# Altium PCB Booster_Main_Board.PcbDoc (part 3 of 11) (continued)
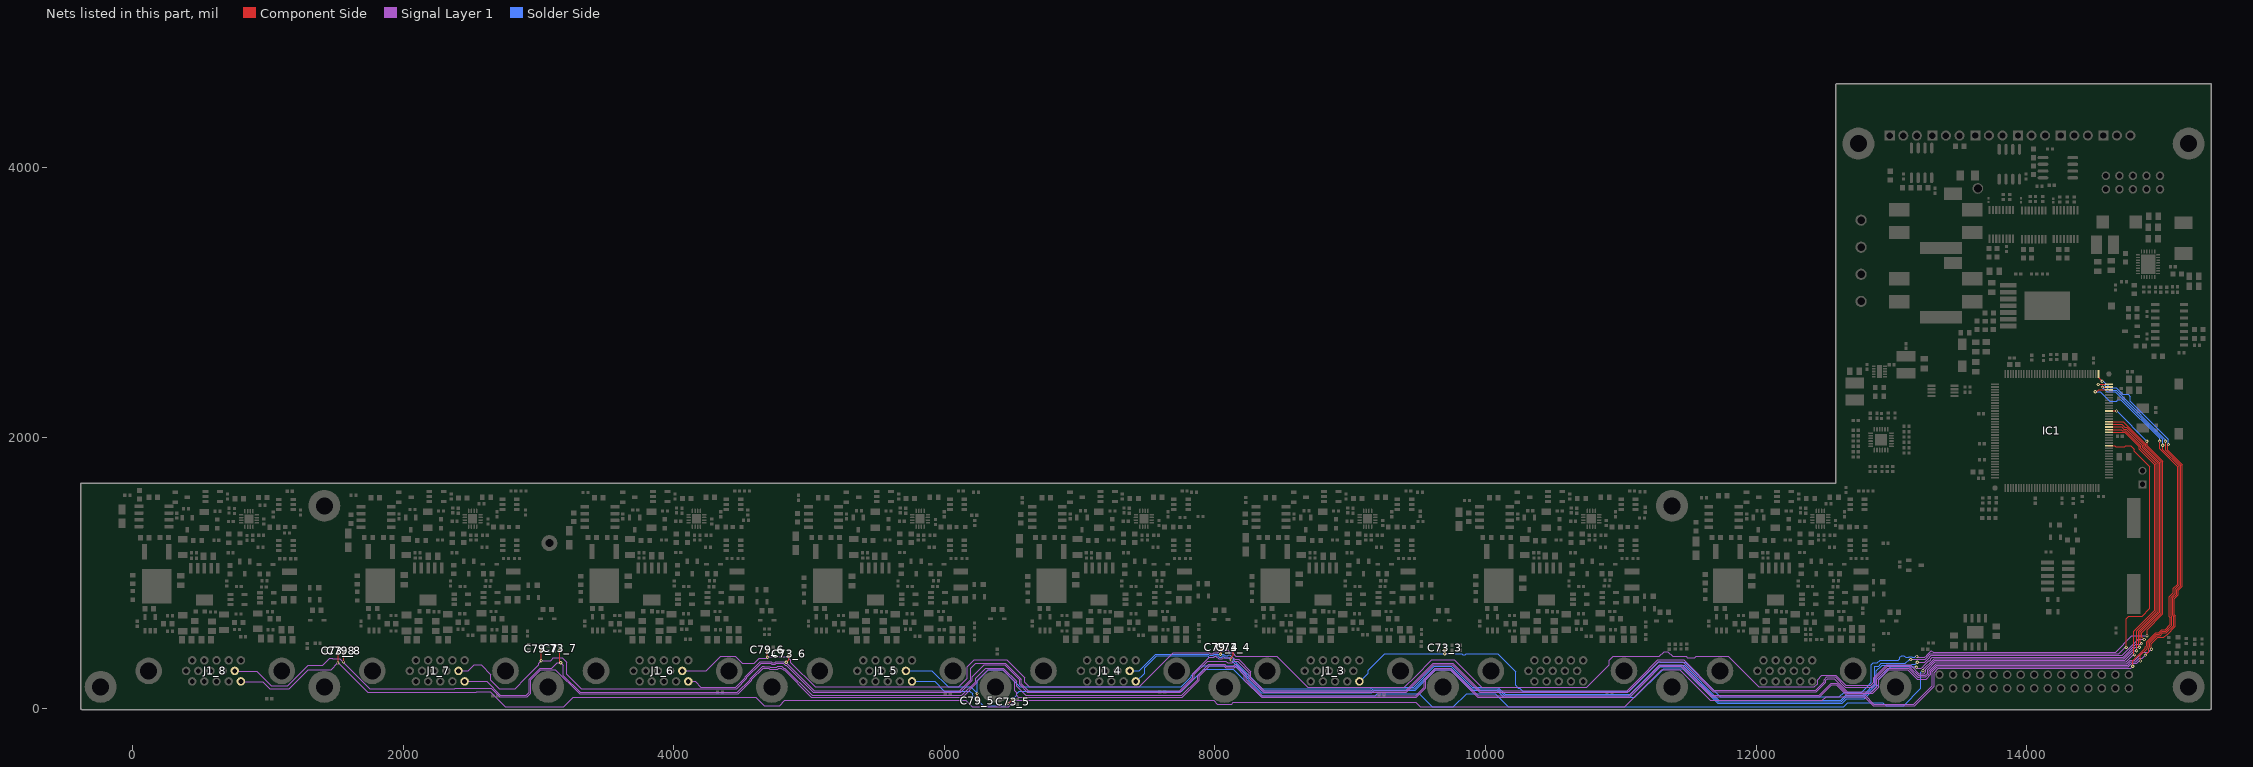
[diagram p5: the nets of this part, all layers, seen from the top]
## Part data (continued)
C48_1 C48_2 C48_3 C48_4 C48_5 C48_6 C48_7 C48_8 C67_1 C67_2 C67_3 C67_4 C67_5 C67_6 C67_7 C67_8 C73_1 C73_2 C73_3 C73_4 C73_5 C73_6 C73_7 C73_8 C79_1 C79_2 C79_3 C79_4 C79_5 C79_6 C79_7 C79_8 C80_1 C80_2 C80_3 C80_4 C80_5 C80_6 C80_7 C80_8 C81_1 C81_2 C81_3 C81_4 C81_5 C81_6 C81_7 C81_8 C82_1 C82_2 C82_3 C82_4 C82_5 C82_6 C82_7 C82_8 C83_1 C83_2 C83_3 C83_4 C83_5 C83_6 C83_7 C83_8: library part CC0402_NO-VALUE, "Non-polarised capacitor", Case=0402, Manufacturer1 ComponentHeight=0.55mm, Author="CERN DEM JLC", Component Type=Standard, CreateDate=14.01.2014, HelpURL=Undefined, LatestRevisionDate=14.01.2014, Manufacturer=Undefined, Manufacturer Part Number=CC0402_NO-VALUE, Mounted=No, Part Description="Reserved Footprint For 0402(1005) Chip Ceramic Capacitor", Part Number=CC0402_NO-VALUE, Pin Count=2, Sense=No, SMD=Yes, Socket=No, Status=None
C55 C57: library part CC0402_100NF_16V_10%_X5R, "Non-polarised capacitor", Case=0402, Manufacturer=GENERIC, Manufacturer1 ComponentHeight=0.55mm, Manufacturer1 Example=MURATA, Manufacturer1 Part Number=GRM155R61C104KA88D, Tolerance=±10%, Voltage=16V, Author="CERN DEM JLC", Component Type=Standard, CreateDate=10.12.2013, HelpURL=\\cern.ch\dfs\Applications\Altium\Datasheets\CC0402_X5R_MURATA_GRM.pdf, LatestRevisionDate=10.12.2013, Manufacturer Part Number=CC0402_100NF_16V_10%_X5R, Mounted=Yes, Part Description="SMD Multilayer Chip Ceramic Capacitor", Part Number=CC0402_100NF_16V_10%_X5R, Pin Count=2, Sense=No, SMD=Yes, Socket=No, Status=None, TC=X5R
C59: library part CC0603_100NF_50V_10%_X5R, "Non-polarised capacitor", Case=0603, Manufacturer=GENERIC, Manufacturer1 ComponentHeight=0.9mm, Manufacturer1 Example=TDK, Manufacturer1 Part Number=C1608X5R1H104K080AA, Tolerance=±10%, Voltage=50V, Author="CERN DEM MR", Component Type=Standard, CreateDate=08.01.2016, HelpURL=\\cern.ch\dfs\Applications\Altium\Datasheets\CC0603_X5R_TDK_C.pdf, LatestRevisionDate=08.01.2016, Manufacturer Part Number=CC0603_100NF_50V_10%_X5R, Mounted=Yes, Part Description="SMD Multilayer Chip Ceramic Capacitor", Part Number=CC0603_100NF_50V_10%_X5R, Pin Count=2, Sense=No, SMD=Yes, Socket=No, Status=None, TC=X5R
C61: library part CAE1900-1680_4700UF_16V_20%, "Polarised capacitor", Case=K16, Manufacturer=PANASONIC, Manufacturer Part Number=EEVFK1C472M, Tolerance=±20%, Voltage=16V, Author="CERN DEM JLC", ComponentHeight=16.8mm, Component Type=Standard, CreateDate=05.11.2014, HelpURL=\\cern.ch\dfs\Applications\Altium\Datasheets\CAE_PANASONIC_FK.pdf, LatestRevisionDate=05.11.2014, Mounted=Yes, Part Description="Aluminum Electrolytic SMT Capacitor", Part Number=CAE1900-1680_4700UF_16V_20%, Pin Count=2, Sense=No, SMD=Yes, Socket=No, Status="Not Recommended"
C63: library part CC1206_10UF_50V_10%_X5R_TDK_CGA5L3X5R1H106K160AB, "Non-polarised capacitor", Case=1206, Manufacturer=TDK, Manufacturer Part Number=CGA5L3X5R1H106K160AB, Tolerance=±10%, Voltage=50V, Author="CERN DEM BC", ComponentHeight=1.9mm, Component Type=Standard, CreateDate=29.02.2016, HelpURL=\\cern.ch\dfs\Applications\Altium\Datasheets\CC1206_X5R_TDK_CGA.pdf, LatestRevisionDate=13.09.2016, Mounted=Yes, Part Description="SMD Multilayer Chip Ceramic Capacitor (Automotive Grade)", Part Number=CC1206_10UF_50V_10%_X5R_TDK_CGA5L3X5R1H106K160AB, Pin Count=2, Sense=No, SMD=Yes, Socket=No, Status="Not Recommended", TC=X5R
C77_1 C77_2 C77_3 C77_4 C77_5 C77_6 C77_7 C77_8: library part CTE3216-18_1UF_16V_10%, "Polarised capacitor", Case=A, Manufacturer=GENERIC, Manufacturer1 ComponentHeight=1.8mm, Manufacturer1 Example=AVX, Manufacturer1 Part Number=TAJA105K016RNJ, Tolerance=±10%, Voltage=16V, Author="CERN DEM JLC", Component Type=Standard, CreateDate=03.09.2012, HelpURL=\\cern.ch\dfs\Applications\Altium\Datasheets\CTE_AVX_TAJ.pdf, LatestRevisionDate=03.09.2012, Manufacturer Part Number=CTE3216-18_1UF_16V_10%, Mounted=Yes, Part Description="Solid Tantalum Chip Capacitor", Part Number=CTE3216-18_1UF_16V_10%, Pin Count=2, Sense=No, SMD=Yes, Socket=No, Status=Preferred
C109_1 C109_2 C109_3 C110_1 C110_2 C110_3: library part CC0603_1UF_16V_10%_X7R, "Non-polarised capacitor", Case=0603, Manufacturer=GENERIC, Manufacturer1 ComponentHeight=0.87mm, Manufacturer1 Example=PHYCOMP, Manufacturer1 Part Number=223824613663, Manufacturer Part Number=CC0603_1uF_16V_10%_X7R, Tolerance=±10%, Voltage=16V, Author="CERN DEM JLC", Component Type=Standard, CreateDate=12/3/2007, HelpURL=\\cern.ch\dfs\Applications\Altium\Datasheets\CC0805_X5R_PHYCOMP_HC.pdf, LatestRevisionDate=12/3/2007, Mounted=Yes, Part Description="SMD Multilayer Chip Ceramic Capacitor", Part Number=CC0603_1UF_16V_10%_X7R, Pin Count=2, SMD=Yes, Socket=No, Status=Preferred, Table="Capacitors SMD", TC=X7R
C111_1 C111_2 C111_3 C112_1 C112_2 C112_3: library part CC0603_1NF_50V_10%_X7R, "Non-polarised capacitor", Case=0603, Manufacturer=GENERIC, Manufacturer1 ComponentHeight=0.87mm, Manufacturer1 Example=PHYCOMP, Manufacturer1 Part Number=223858615623, Tolerance=±10%, Voltage=50V, Author="CERN DEM JLC", Component Type=Standard, CreateDate=2007-12-03, HelpURL=\\cern.ch\dfs\Applications\Altium\Datasheets\CC0603_X7R_PHYCOMP.pdf, LatestRevisionDate=2007-12-03, Manufacturer Part Number=CC0603_1NF_50V_10%_X7R, Mounted=Yes, Part Description="SMD Multilayer Chip Ceramic Capacitor", Part Number=CC0603_1NF_50V_10%_X7R, Pin Count=2, SMD=Yes, Socket=No, Status=Preferred, Table="Capacitors SMD", TC=X7R
C113_1 C113_2 C113_3: library part CC0201_100NF_6.3V_10%_X5R, "Non-polarised capacitor", Case=0201, Manufacturer=GENERIC, Manufacturer1 ComponentHeight=0.33mm, Manufacturer1 Example=AVX, Manufacturer1 Part Number=02016D104KAT2A, Tolerance=±10%, Voltage=6.3V, Author="CERN DEM JLC", Component Type=Standard, CreateDate=2007-12-03, HelpURL=\\cern.ch\dfs\Applications\Altium\Datasheets\CC0201_X5R_AVX.pdf, LatestRevisionDate=2007-12-03, Manufacturer Part Number=CC0201_100NF_6.3V_10%_X5R, Mounted=Yes, Part Description="SMD Multilayer Chip Ceramic Capacitor", Part Number=CC0201_100NF_6.3V_10%_X5R, Pin Count=2, SMD=Yes, Socket=No, Status="Not Recommended", Table="Capacitors SMD", TC=X5R
CON2_1 CON2_2 CON2_3 CON42_1 CON42_2 CON42_3: library part MOLEX_22-05-7038, "Connector 3 Male", Manufacturer=MOLEX, Manufacturer Part Number=22-05-7038, Author="CERN DEM JLC", ComponentHeight=5.8mm, Component Type=Standard, CreateDate=2012-09-19, Family=KK®, HelpURL=\\cern.ch\dfs\Applications\Altium\Datasheets\MOLEX_22-05-7038.pdf, LatestRevisionDate=2012-09-19, Mounted=Yes, Part Description="2.54mm (.100\") Pitch KK® Wire-To-Board Header, Right Angle, With Friction Lock, 3 Circuits", Part Number=MOLEX_22-05-7038, Pin Count=3, SMD=No, Socket=No, Status=None, Table=MOLEX
D1 D4 D7 D8 D9 D10 D11 D12 D13 D14: "Ultra Low Capacitance Double Rail-to-Rail ESD Protection Diode", Case=SOT143B, Manufacturer="NXP SEMICONDUCTORS", Voltage=5.5V, Author="CERN DEM JLC", Bonding=No, ComponentHeight=1.1mm, Component Type=Standard, CreateDate=22.03.2011, Device=PRTR5V0U2X, HelpURL=\\cern.ch\dfs\Applications\Altium\Datasheets\PRTR5V0U2X.pdf, LatestRevisionDate=22.03.2011, Manufacturer Part Number=PRTR5V0U2X, Mounted=Yes, PackageDescription="SOT143B, SOT, 1.90mm Pitch; 4 Pin, 1.30mm W X 2.90mm L X 1.10mm H body, IPC Medium Density", Part Description="Ultra Low Capacitance (1pF) Double Rail-to-Rail ESD Protection Diode (8kV)", Part Number=PRTR5V0U2X, Pin Count=4, PressFit=No, Sense=No, SMD=Yes, Socket=No
D2_1 D2_2 D2_3 D2_4 D2_5 D2_6 D2_7 D2_8 D5 D6_1 D6_2 D6_3 D6_4 D6_5 D6_6 D6_7 D6_8: "Schottky Diode", Case=SOD323, Manufacturer=INFINEON, Power=750mA, Voltage=40V, Author="CERN DEM JLC", Bonding=No, ComponentHeight=1.1mm, Component Type=Standard, CreateDate=12.11.2014, Device=BAT165, HelpURL=\\cern.ch\dfs\Applications\Altium\Datasheets\BAT165.pdf, LatestRevisionDate=12.11.2014, Manufacturer Part Number=BAT165, Mounted=Yes, PackageDescription="Small Outline Diode Flat Lead (SOD-323), 1.70mm W X 1.25mm L X 1.10mm H body,  IPC Medium Density", Part Description="Medium Power AF Schottky Diode", Part Number=BAT165, Pin Count=2, PressFit=No, Sense=No, SMD=Yes, Socket=No
D3: "Schottky Diode", Case=DO-214AC, Manufacturer="VISHAY GENERAL SEMICONDUCTOR", Power=1A, Voltage=60V, Author="CERN DEM JLC", Bonding=No, ComponentHeight=2.29mm, Component Type=Standard, CreateDate=15.07.2008, Device=SS16, HelpURL=\\cern.ch\dfs\Applications\Altium\Datasheets\SS16.pdf, LatestRevisionDate=23.08.2010, Manufacturer Part Number=SS16, Mounted=Yes, PackageDescription="DO-214-AC Molded Diode, Body 5.1x2.7mm, IPC Medium Density", Part Description="Surface Mount Schottky Barrier Rectifier", Part Number=SS16, Pin Count=2, PressFit=No, Sense=No, SMD=Yes, Socket=No
F1_1 F1_2 F1_3 F1_4 F1_5 F1_6 F1_7 F1_8: library part FUSR1210_TYCO-MICROSMD005F, "Fuse", Manufacturer="TYCO ELECTRONICS", Manufacturer Part Number=microSMD005F, Author="CERN DEM JLC", ComponentHeight=0.85mm, Component Type=Standard, CreateDate=14.12.2010, Family="Fuses Resettable", HelpURL=\\cern.ch\dfs\Applications\Altium\Datasheets\FUSR_TYCO_microSMD005F.pdf, LatestRevisionDate=14.12.2010, Mounted=Yes, PackageDescription="Chip Resettable Fuse, 2-Leads, Body 3.2mm x 2.6mm, IPC Medium Density", Part Description="PolySwitch® PTC Overcurrent Protection Device", Part Number=FUSR1210_TYCO-MICROSMD005F, Pin Count=2, PressFit=No, Sense=No, SMD=Yes, Socket=No
FB1 FB2 FB3_1 FB3_2 FB3_3 FB3_4 FB3_5 FB3_6 FB3_7 FB3_8 FB4_1 FB4_2 FB4_3 FB4_4 FB4_5 FB4_6 FB4_7 FB4_8 FB5_1 FB5_2 FB5_3 FB5_4 FB5_5 FB5_6 FB5_7 FB5_8 FB6_1 FB6_2 FB6_3 FB6_4 FB6_5 FB6_6 FB6_7 FB6_8: library part IND0805_MURATA_BLM21PG221SN1D, "Inductor", Case=0805, Manufacturer=MURATA, Manufacturer Part Number=BLM21PG221SN1D, Power=2A, Resistance=0.05R, Tolerance=±25%, Author="CERN DEM JLC", ComponentHeight=1.05mm, Component Type=Standard, CreateDate=2010-01-25, HelpURL=\\cern.ch\dfs\Applications\Altium\Datasheets\IND0402_MURATA_BLM21P.pdf, LatestRevisionDate=2010-01-25, Mounted=Yes, Part Description="SMD EMIFIL Suppression Chip Ferrite Bead", Part Number=IND0805_MURATA_BLM21PG221SN1D, Pin Count=2, SMD=Yes, Socket=No, Status=None, Table="Inductors SMD"
FL1 FL2: library part FIL_MURATA_BNX022-01L, "Block Type EMIFIL (LC Combined)", Manufacturer=MURATA, Manufacturer Part Number=BNX022-01L, Resistance=0.5R, Author="CERN DEM JLC", ComponentHeight=3.3mm, Component Type=Standard, CreateDate=10.10.2012, HelpURL=\\cern.ch\dfs\Applications\Altium\Datasheets\FIL_MURATA_BNX022-01L.pdf, LatestRevisionDate=10.10.2012, Mounted=Yes, Part Description="Block Type EMIFIL (LC Combined) SMD Type, BNX02* Series", Part Number=FIL_MURATA_BNX022-01L, Pin Count=2, Sense=No, SMD=Yes, Socket=No, Status=None
IC1: "ARM Cortex-M4 32-bit MCU+FPU, 210 DMIPS, 1024 kB Flash, 192 kB Internal RAM, 114 I/Os, 144-pin LQFP, -40 to 85 degC, Tray", Case=QFP144, Manufacturer="ST MICROELECTRONICS", Author="CERN DEM MR", Bonding=No, ComponentHeight=1.6mm, Component Type=Standard, CreateDate=14.07.2016, Device=STM32F407ZGT6, HelpURL=\\cern.ch\dfs\Applications\Altium\Datasheets\STM32F407ZGT6.pdf, LatestRevisionDate=14.07.2016, Manufacturer Part Number=STM32F407ZGT6, Mounted=Yes, PackageDescription="QFP, 0.50mm Pitch, Square; 144 Pin, 20.00mm L X 20.00mm W X 1.60mm H Body, IPC Medium Density", Part Description="ARM Cortex-M4 32b MCU+FPU, 210DMIP, 1024 kB Flash, 192+4 kB RAM, Camera, 114 I/Os, 144-pin LQFP, Industrial Grade", Part Number=STM32F407ZGT6, Pin Count=144, PressFit=No, Sense=No, SMD=Yes, Socket=No
IC2: library part VMON_STM809, "2.93V  Reset circuit"
IC3_1 IC3_2 IC3_3 IC3_4 IC3_5 IC3_6 IC3_7 IC3_8: "1.2V to 20V, 1.5A, Fast Transient Response, Low Noise, LDO Adjustable Regulator", Case=SOT223, Manufacturer="TEXAS INSTRUMENTS", Author="CERN DEM JLC", Bonding=No, ComponentHeight=1.8mm, Component Type=Standard, CreateDate=08.07.2014, Device=TL1963ADCQR, HelpURL=\\cern.ch\dfs\Applications\Altium\Datasheets\TL1963ADCQR.pdf, LatestRevisionDate=08.07.2014, Manufacturer Part Number=TL1963ADCQR, Mounted=Yes, PackageDescription="SOT223, 6-Leads, Body 6.6x7.3mm (max), Pitch 1.27mm, IPC Medium Density", Part Description="1.2V to 20V, 1.5A, Fast Transient Response, Low Noise, LDO Adjustable Regulator", Part Number=TL1963ADCQR, Pin Count=6, PressFit=No, Sense=No, SMD=Yes, Socket=No
IC4: "300 mA, Low Noise, CMOS LDO Linear Regulator", Case=SOIC8, Manufacturer="ANALOG DEVICES", Author="CERN DEM JLC", Bonding=No, ComponentHeight=1.75mm, Component Type=Standard, CreateDate=17.03.2014, Device=ADP7102ARDZ-5.0-R7, HelpURL=\\cern.ch\dfs\Applications\Altium\Datasheets\ADP7102ARDZ-5.0-R7.pdf, LatestRevisionDate=17.03.2014, Manufacturer Part Number=ADP7102ARDZ-5.0-R7, Mounted=Yes, PackageDescription="SOIC 8, Pitch 1.27mm - Body 3.9x4.9mm, (w/thermal tab 2.41mm X 3.098mm), IPC Medium Density", Part Description="5V, 300mA, Low Noise, CMOS LDO Linear Regulator", Part Number=ADP7102ARDZ-5.0-R7, Pin Count=8, PressFit=No, Sense=No, SMD=Yes, Socket=No
IC5: "LTC7149 - 60V, 4A Synchronous Step-Down Regulator for Inverting Outputs", Manufacturer="Linear technology", Manufacturer Part Number=LTC7149EUFD#PBF
IC6_1 IC6_2 IC6_3 IC6_4 IC6_5 IC6_6 IC6_7 IC6_8 IC7_1 IC7_2 IC7_3 IC7_4 IC7_5 IC7_6 IC7_7 IC7_8 IC8_1 IC8_2 IC8_3 IC8_4 IC8_5 IC8_6 IC8_7 IC8_8: "Current Shunt Monitor -16V to +80V Common-Mode Range", Case=SOT23-5, Manufacturer="TEXAS INSTRUMENTS", Author="CERN DEM JLC", Bonding=No, ComponentHeight=1.45mm, Component Type=Standard, CreateDate=10.05.2010, Device=INA194AIDBVT, HelpURL=\\cern.ch\dfs\Applications\Altium\Datasheets\INA194AIDBVT.pdf, LatestRevisionDate=10.05.2010, Manufacturer Part Number=INA194AIDBVT, Mounted=Yes, PackageDescription="SOT, 0.95mm pitch; 5 pin, 1.60mm W X 2.90mm L X 1.45mm H body, IPC Medium Density", Part Description="Current Shunt Monitor -16V to +80V Common-Mode Range", Part Number=INA194AIDBVT, Pin Count=5, PressFit=No, Sense=No, SMD=Yes, Socket=No
IC9_1 IC9_2 IC9_3 IC9_4 IC9_5 IC9_6 IC9_7 IC9_8: library part CMP-0003-02162-1, "12-Bit, 4-Channel Mux Input SAR ADC with Intelligent System Power Control, -40 to 85 degC, 16-pin QFN (RTE16), Green (RoHS & no Sb/Br)", Analog Voltage AV/DD(Max)(V)=5.5, Analog Voltage AV/DD(Min)(V)=2.2, Manufacturer="Texas Instruments", # Input Channels=4, Architecture=SAR, Code_JEDEC=MO-220, ComponentLink1Description="Manufacturer URL", ComponentLink1URL=http://www.ti.com/, ComponentLink2Description=Datasheet, ComponentLink2URL=http://www.ti.com/general/docs/lit/getliterature.tsp?genericPartNumber=ADS7924&fileType=pdf, ComponentLink3Description="Package Specification", ComponentLink3URL=http://www.ti.com/litv/pdf/mpqf149c, DatasheetVersion=SBAS482A, Digital Supply(Max)(V)=5.5, Digital Supply(Min)(V)=1.65, Eco-Plan="Green (RoHS & no Sb/Br)", INL(Max)(+/-LSB)=1.5, Interface="Serial I2C", Mounting Technology="Surface Mount", PackageDescription="16-Pin Plastic Flat Pack, Body 3 x 3 mm, Pitch 0.5 mm", PackageReference=RTE16-1700X1700TP, PackageVersion="4205254/D, 01/2011", PartNumber=ADS7924IRTET, Resolution(Bits)=12, Sample Rate (max)(SPS)=100k, SubFamily="Precision ADC (<=10MSPS)"
IC10: library part REF_MCP1525, "2.5 voltage reference"
IC11: "Low Voltage 8-Channel I2C Switch With Reset", Case=QFN24, Manufacturer="TEXAS INSTRUMENTS", Author="CERN DEM JLC", Bonding=No, ComponentHeight=1mm, Component Type=Standard, CreateDate=07.07.2014, Device=TCA9548ARGER, HelpURL=\\cern.ch\dfs\Applications\Altium\Datasheets\TCA9548ARGER.pdf, LatestRevisionDate=07.07.2014, Manufacturer Part Number=TCA9548ARGER, Mounted=Yes, PackageDescription="QFN, 0.50mm Pitch, Square; 24 Pin, 4.00mm L X 4.00mm W X 1.00mm H body (w/thermal tab 2.2 X 2.2mm), IPC Medium Density", Part Description="Low Voltage 8-Channel I2C Switch With Reset", Part Number=TCA9548ARGER, Pin Count=25, PressFit=No, Sense=No, SMD=Yes, Socket=No
IC12: "4.75-28VDC to 1-6VDC, 500mA Step-Down Converter With Sleep Mode", Case=SON10, Manufacturer="TEXAS INSTRUMENTS", Author="CERN DEM JMW", Bonding=No, ComponentHeight=0.8mm, Component Type=Standard, CreateDate=11.08.2015, Device=TPS62175DQC, HelpURL=\\cern.ch\dfs\Applications\Altium\Datasheets\TPS62175DQC.pdf, LatestRevisionDate=11.08.2015, Manufacturer Part Number=TPS62175DQC, Mounted=Yes, PackageDescription="SON, 10-Leads, Body 2x3mm, Pitch 0.5mm, Thermal Pad 0.94x2.5mm, IPC Medium Density", Part Description="4.75-28VDC to 1-6VDC, 500mA Step-Down Converter With Sleep Mode", Part Number=TPS62175DQC, Pin Count=11, PressFit=No, Sense=No, SMD=Yes, Socket=No
IC13_1 IC13_2 IC13_3 IC13_4 IC13_5 IC13_6 IC13_7 IC13_8: "200mA, Low Noise, Low Dropout Negative Micropower Regulator", Case=SOT23-5, Manufacturer="LINEAR TECHNOLOGY", Author="CERN DEM JLC", Bonding=No, ComponentHeight=1mm, Component Type=Standard, CreateDate=05.05.2009, Device=LT1964ES5-SD#TRMPBF, HelpURL=\\cern.ch\dfs\Applications\Altium\Datasheets\LT1964ES5-SD#TRMPBF.pdf, LatestRevisionDate=05.05.2009, Manufacturer Part Number=LT1964ES5-SD#TRMPBF, Mounted=Yes, PackageDescription="SOT23, 0.95mm pitch; 5 pin, 1.75mm W X 3.00mm L, IPC Medium Density", Part Description="-1.22V to -20V, 200mA, Low Noise, Low Dropout Negative Micropower Regulator", Part Number=LT1964ES5-SD#TRMPBF, Pin Count=5, PressFit=No, Sense=No, SMD=Yes, Socket=No
IC14_1 IC14_2 IC14_3 IC14_4 IC14_5 IC14_6 IC14_7 IC14_8: "Simple Power Sequencer", Case=SOT23-6, Manufacturer="TEXAS INSTRUMENTS", Author="CERN DEM MR", Bonding=No, ComponentHeight=1.45mm, Component Type=Standard, CreateDate=17.03.2016, Device=LM3880-1AC/NOPB, HelpURL=\\cern.ch\dfs\Applications\Altium\Datasheets\LM3880-1AC-NOPB.pdf, LatestRevisionDate=17.03.2016, Manufacturer Part Number=LM3880-1AC/NOPB, Mounted=Yes, PackageDescription="SOT23, 6-Leads, Body 1.6x3.0mm, Pitch 0.95mm, IPC Medium Density", Part Description="Simple Power Sequencer, Power UP : 1 2 3, Power Down 3 2 1, Timing Designator 60ms", Part Number=LM3880-1AC/NOPB, Pin Count=6, PressFit=No, Sense=No, SMD=Yes, Socket=No
IC15_1 IC15_2 IC15_3 IC15_4 IC15_5 IC15_6 IC15_7 IC15_8: "+2.7 V to +5.5 V, I2C Interface (Receive Only), Voltage Output, 12-Bit Digital-To-Analog Converter", Case=SOT23-6, Manufacturer="TEXAS INSTRUMENTS", Author="CERN DEM MR", Bonding=No, ComponentHeight=1.45mm, Component Type=Standard, CreateDate=07.07.2016, Device=DAC7571DBV, HelpURL=\\cern.ch\dfs\Applications\Altium\Datasheets\DAC7571DBV.pdf, LatestRevisionDate=07.07.2016, Manufacturer Part Number=DAC7571DBV, Mounted=Yes, PackageDescription="SOT23, 6-Leads, Body 1.6x3.0mm, Pitch 0.95mm, IPC Medium Density", Part Description="+2.7 V to +5.5 V, I2C Interface (Receive Only), Voltage Output, 12-Bit Digital-To-Analog Converter", Part Number=DAC7571DBV, Pin Count=6, PressFit=No, Sense=No, SMD=Yes, Socket=No
IC16: "Quad Operational Amplifier", Case=SOIC14, Manufacturer="TEXAS INSTRUMENTS", Author="CERN DEM MR", Bonding=No, ComponentHeight=1.75mm, Component Type=Standard, CreateDate=23.03.2016, Device=LP339M/NOPB, HelpURL=\\cern.ch\dfs\Applications\Altium\Datasheets\LP339M-NOPB.pdf, LatestRevisionDate=23.03.2016, Manufacturer Part Number=LP339M/NOPB, Mounted=Yes, PackageDescription="SOIC 14, Pitch 1.27mm - Body 4x8.75mm, IPC Medium Density", Part Description="Ultra-Low Power Quad Comparator", Part Number=LP339M/NOPB, Pin Count=14, PressFit=No, Sense=No, SMD=Yes, Socket=No
IC17: "Precision Reference 1=Adj 2=Cathode 3=Anode", Case=SOT23, Manufacturer="ST MICROELECTRONICS", Author="CERN DEM JLC", Bonding=No, ComponentHeight=1.12mm, Component Type=Standard, CreateDate=17.11.2016, Device=TS3431ILT, HelpURL=\\cern.ch\dfs\Applications\Altium\Datasheets\TS3431ILT.pdf, LatestRevisionDate=17.11.2016, Manufacturer Part Number=TS3431ILT, Mounted=Yes, PackageDescription="SOT, 0.95mm, pitch; 3 pin,1.30mm W X 2.92mm L X 1.12mm H body, IPC Medium Density", Part Description="1.24 V Programmable Shunt Voltage Reference", Part Number=TS3431ILT, Pin Count=3, PressFit=No, Sense=No, SMD=Yes, Socket=No
IC18_1 IC18_2 IC18_3: "2-Channel Temperature Monitor with Dual, Automatic, PWM Fan-Speed Controller", Case=SSOP16, Manufacturer=MAXIM, Author="CERN DEM JLC", ComponentHeight=1.75mm, Component Type=Standard, CreateDate=2012-08-15, Device=MAX6639AEE+, HelpURL=\\cern.ch\dfs\Applications\Altium\Datasheets\MAX6639AEE+.pdf, LatestRevisionDate=2012-08-15, Manufacturer Part Number=MAX6639AEE+, Mounted=Yes, PackageDescription="SOP, 0.635mm pitch; 16 pin, 3.9mm W X 4.895mm L X 1.75mm H Body, IPC Medium Density", Part Description="2-Channel Temperature Monitor with Dual, Automatic, PWM Fan-Speed Controller", Part Number=MAX6639AEE+, Pin Count=16, SMD=Yes, Socket=No, Table="Analog & Interface"
IC19: "3A SIMPLE SWITCHER® Power Module with 42V Maximum Input Voltage", Case=TO-PMOD-7, Manufacturer="TEXAS INSTRUMENTS", Author=GK, Bonding=No, ComponentHeight=4.67mm, Component Type=Standard, CreateDate=17.11.2016, Device=LMZ14203HTZX/NOPB, HelpURL=\\cern.ch\dfs\Applications\Altium\Datasheets\LMZ14201EXTTZE-NOPB.pdf, LatestRevisionDate=17.11.2016, Manufacturer Part Number=LMZ14203HTZX/NOPB, Mounted=Yes, PackageDescription="TO-PMOD 7 Pin Package, NATIONAL Package TZA07A, 1.70mm pitch; 9.85mm L X 10.16mm W X 4.67mm H body", Part Description="3A SIMPLE SWITCHER® Power Module with 42V Maximum Input Voltage", Part Number=LMZ14203HTZX/NOPB, Pin Count=8, PressFit=No, Sense=No, SMD=Yes, Socket=No
IC20: "64K I2C Serial EEPROM", Case=MSOP8, Manufacturer="MICROCHIP TECHNOLOGY", Author="CERN DEM JLC", Bonding=No, ComponentHeight=1.1mm, Component Type=Standard, CreateDate=24.01.2011, Device=24LC64-I/MS, HelpURL=\\cern.ch\dfs\Applications\Altium\Datasheets\24LC64-I-MS.pdf, LatestRevisionDate=24.01.2011, Manufacturer Part Number=24LC64-I/MS, Mounted=Yes, PackageDescription="SOP, 0.65mm pitch; 8 pin, 3.00mm W X 3.00mm L X 1.10mm H body, IPC Medium Density", Part Description="2.5V-5.5V, 64K (8K x 8-bit) I2C Serial EEPROM", Part Number=24LC64-I/MS, Pin Count=8, PressFit=No, Sense=No, SMD=Yes, Socket=No
J1_1 J1_2 J1_3 J1_4 J1_5 J1_6 J1_7 J1_8: "Connector High Density D-sub 15 Female", Manufacturer="TYCO ELECTRONICS", Manufacturer Part Number=1932144-1, Part Number=TYCO_1932144-1, Author=GK, ComponentHeight=12.88mm, Component Type=Standard, CreateDate=17.03.2015, Family=HD-Sub, HelpURL=\\cern.ch\dfs\Applications\Altium\Datasheets\TYCO_5749768-1.pdf, LatestRevisionDate=17.03.2015, Mounted=Yes, Part Description="15 Female Contacts, Staight High Density D-SUB Connector With Boardlock and Threaded Insert (4-40 UNC), AMPLIMITE HD-22 Series", Pin Count=17, PressFit=No, Sense=No, SMD=No, Socket=No, Status=None
J2: library part 3M_N2530-6002RB, "Connector 30 Male", Manufacturer=3M, Manufacturer Part Number=N2530-6002RB, Author="CERN DEM JLC", ComponentHeight=10.03mm, Component Type=Standard, CreateDate=11.02.2009, Family="Header 30", HelpURL=\\cern.ch\dfs\Applications\Altium\Datasheets\3M_N2530-6002RB.pdf, LatestRevisionDate=11.08.2009, Mounted=Yes, Part Description="30 Contacts - Straight .100'' x .100'' Low Profile Four-Wall Header, 2500 Series", Part Number=3M_N2530-6002RB, Pin Count=30, PressFit=No, Sense=No, SMD=No, Socket=No, Status=None
J3: library part PHOENIX_1755752, "Connector 4 Male", Manufacturer="PHOENIX CONTACT", Manufacturer Part Number="1755752 (MSTBVA 2,5/ 4-G-5,08)", Author="CERN DEM JLC", ComponentHeight=12mm, Component Type=Standard, CreateDate=27.11.2012, HelpURL=\\cern.ch\dfs\Applications\Altium\Datasheets\PHOENIX_1755752.pdf, LatestRevisionDate=27.11.2012, Mounted=Yes, Part Description="12A, 250V, Pitch 5.08mm, 4 Positions Header", Part Number=PHOENIX_1755752, Pin Count=4, PressFit=No, Sense=No, SMD=No, Socket=No, Status=None
J4: library part 3M_N2510-6003RB, "Connector 10 Male", Manufacturer=3M, Manufacturer Part Number=N2510-6003RB, Author="CERN DEM JLC", ComponentHeight=10.03mm, Component Type=Standard, CreateDate=15.08.2011, Family="Header 10", HelpURL=\\cern.ch\dfs\Applications\Altium\Datasheets\3M_N2510-6003RB.pdf, LatestRevisionDate=15.08.2011, Mounted=Yes, Part Description="10 Contacts - Straight .100'' x .100'' Low Profile Four-Wall Header(Solder Tail 3.94mm), 2500 Series", Part Number=3M_N2510-6003RB, Pin Count=10, PressFit=No, Sense=No, SMD=No, Socket=No, Status=None
JP1: library part "CON_2x5 1.27 SMT Male", "1.27 mm dual row goldpin (Maritex)"
JP2: library part JUMPER, "Jumper", Supplier Part Number 1=1798942, Supplier 1=Farnell
L1 L2 L4: library part IND_10UH_10%_MURATA-PS_8400, "Inductor With Core", Manufacturer="MURATA POWER SOLUTIONS", Manufacturer Part Number=84103C, Power=950mA, Resistance=0.24R, Tolerance=±10%, Author="CERN DEM JLC", ComponentHeight=2.9mm, Component Type=Standard, CreateDate=02.07.2012, HelpURL=\\cern.ch\dfs\Applications\Altium\Datasheets\IND_MURATA-PS_8400.pdf, LatestRevisionDate=02.07.2012, Mounted=Yes, Part Description="Miniature Surface Mount Power Inductor (8400 Serie)", Part Number=IND_10UH_10%_MURATA-PS_8400, Pin Count=2, Sense=No, SMD=Yes, Socket=No, Status=None
L3: library part IND2525_1.5UH_20%_VISHAY_IHLP-2525CZ, "Inductor With Core", Case=2525, Manufacturer="VISHAY DALE", Manufacturer Part Number=IHLP2525CZER6R8M01, Power=9A, Resistance=0.014R, Tolerance=±20%, Author="CERN DEM JLC", ComponentHeight=3mm, Component Type=Standard, CreateDate=24.10.2012, HelpURL=\\cern.ch\dfs\Applications\Altium\Datasheets\IND2525_VISHAY_IHLP-2525CZ.pdf, LatestRevisionDate=24.10.2012, Mounted=Yes, Note="Replace with IHLP2525CZER6R8M01", Part Description="Low Profile, High Current IHLP® Inductor", Part Number=IND2525_1.5UH_20%_VISHAY_IHLP-2525CZ, Pin Count=2, Sense=No, SMD=Yes, Socket=No, Status=None